# KiCad board nuevo5.kicad_pcb (continued)
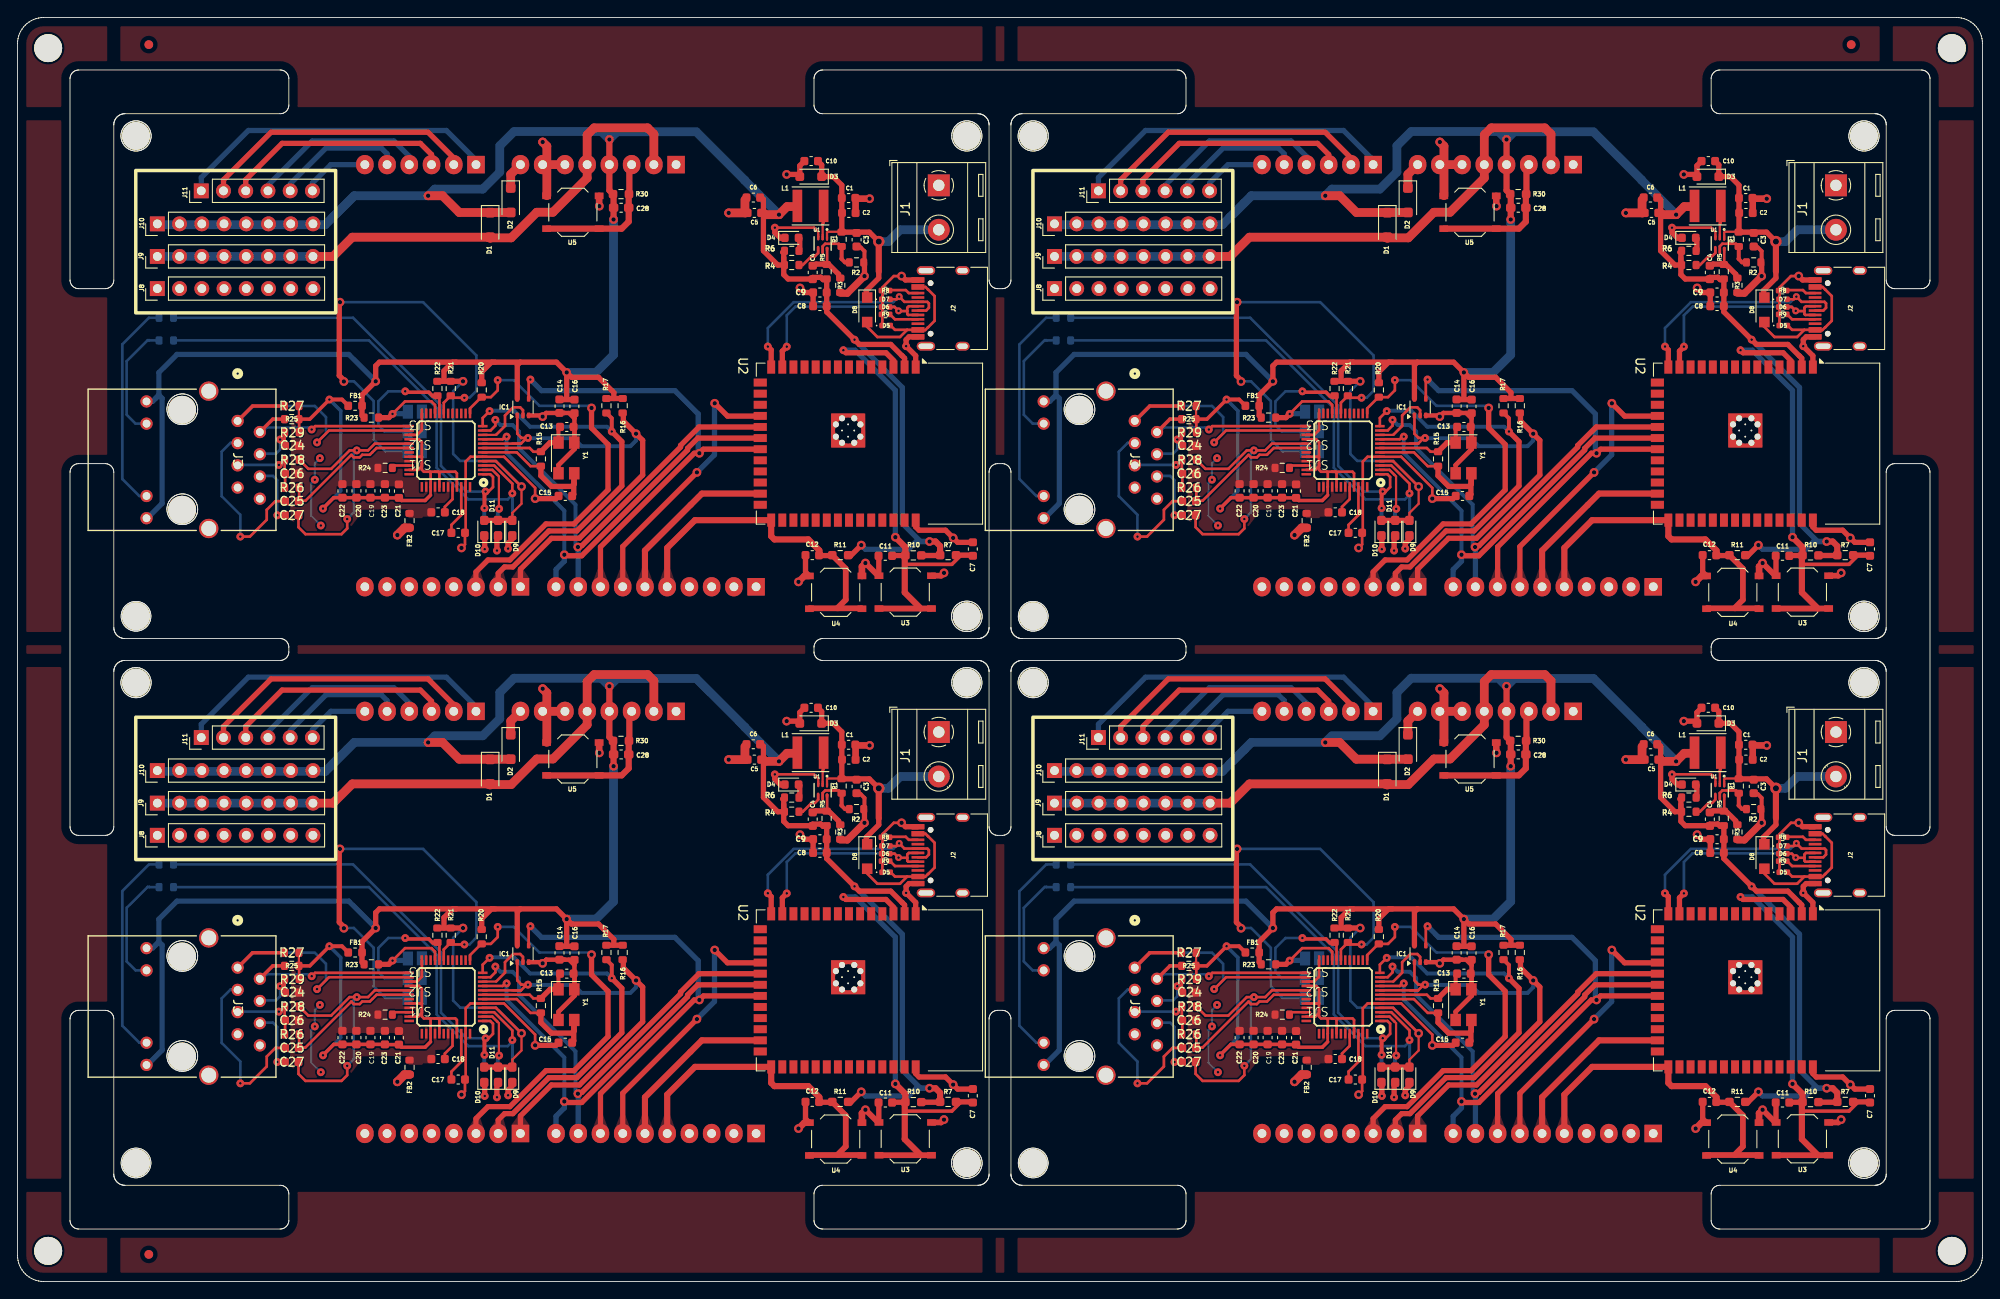
[diagram p0: board, top side]
## Nets (continued)
Board_1-Net-(SJ1-A): R21#2.2 SJ1#4.1 U$1#4.43
Board_1-Net-(SJ2-A): R22#4.2 SJ2#3.1 U$1#4.44
Board_1-Net-(SJ3-A): R23#3.2 SJ3.1 U$1#4.45
Board_1-Net-(U1-EN): R1#4.1 R2#3.2 U1#4.5
Board_1-Net-(U1-FB): C4#3.1 R3#3.2 R5#3.1 U1#4.6
Board_1-Net-(U1-PG): R4#4.1 U1#4.4
Board_1-Net-(U1-SW): L1#3.1 U1#4.2
Board_1-Net-(U$1-1V20): C17#3.1 U$1#4.22
Board_1-Net-(U$1-EXRES1): R24#2.1 U$1#4.10
Board_1-Net-(U$1-TOCAP): C18#2.1 U$1#4.20
Board_1-Net-(U$1-XI/CLKIN): C15.1 R15#4.2 U$1#4.30 Y1#2.2
Board_1-Net-(U$1-XO): C13#2.1 R15#4.1 U$1#4.31 Y1#2.1
Board_1-unconnected-(J2-SBU1-PadA8): J2#2.A8
Board_1-unconnected-(J2-SBU2-PadB8): J2#2.B8
Board_1-unconnected-(J3-NC-Pad7): J3#3.7
Board_1-unconnected-(J4-Pin_1-Pad1): J4.1
Board_1-unconnected-(J6-Pin_1-Pad1): J6#4.1
Board_1-unconnected-(J6-Pin_2-Pad2): J6#4.2
Board_1-unconnected-(J6-Pin_3-Pad3): J6#4.3
Board_1-unconnected-(J7-Pin_4-Pad4): J7.4
Board_1-unconnected-(J7-Pin_5-Pad5): J7.5
Board_1-unconnected-(J7-Pin_6-Pad6): J7.6
Board_1-unconnected-(J7-Pin_7-Pad7): J7.7
Board_1-unconnected-(J7-Pin_8-Pad8): J7.8
Board_1-unconnected-(U2-IO1-Pad39): U2#3.39
Board_1-unconnected-(U2-IO2-Pad38): U2#3.38
Board_1-unconnected-(U2-IO3-Pad15): U2#3.15
Board_1-unconnected-(U2-IO4-Pad4): U2#3.4
Board_1-unconnected-(U2-IO5-Pad5): U2#3.5
Board_1-unconnected-(U2-IO6-Pad6): U2#3.6
Board_1-unconnected-(U2-IO7-Pad7): U2#3.7
Board_1-unconnected-(U2-IO8-Pad12): U2#3.12
Board_1-unconnected-(U2-IO9-Pad17): U2#3.17
Board_1-unconnected-(U2-IO14-Pad22): U2#3.22
Board_1-unconnected-(U2-IO15-Pad8): U2#3.8
Board_1-unconnected-(U2-IO16-Pad9): U2#3.9
Board_1-unconnected-(U2-IO17-Pad10): U2#3.10
Board_1-unconnected-(U2-IO18-Pad11): U2#3.11
Board_1-unconnected-(U2-IO21-Pad23): U2#3.23
Board_1-unconnected-(U2-IO35-Pad28): U2#3.28
Board_1-unconnected-(U2-IO36-Pad29): U2#3.29
Board_1-unconnected-(U2-IO37-Pad30): U2#3.30
Board_1-unconnected-(U2-IO38-Pad31): U2#3.31
Board_1-unconnected-(U2-IO39-Pad32): U2#3.32
Board_1-unconnected-(U2-IO40-Pad33): U2#3.33
Board_1-unconnected-(U2-IO41-Pad34): U2#3.34
Board_1-unconnected-(U2-IO42-Pad35): U2#3.35
Board_1-unconnected-(U2-IO45-Pad26): U2#3.26
Board_1-unconnected-(U2-IO46-Pad16): U2#3.16
Board_1-unconnected-(U2-IO47-Pad24): U2#3.24
Board_1-unconnected-(U2-RXD0-Pad36): U2#3.36
Board_1-unconnected-(U2-TXD0-Pad37): U2#3.37
Board_1-unconnected-(U$1-DNC-Pad7): U$1#4.7
Board_1-unconnected-(U$1-NC@1-Pad12): U$1#4.12
Board_1-unconnected-(U$1-NC@2-Pad13): U$1#4.13
Board_1-unconnected-(U$1-NC@3-Pad46): U$1#4.46
Board_1-unconnected-(U$1-NC@4-Pad47): U$1#4.47
Board_1-unconnected-(U$1-RSVD@2-Pad38): U$1#4.38
Board_1-unconnected-(U$1-RSVD@3-Pad39): U$1#4.39
Board_1-unconnected-(U$1-RSVD@4-Pad40): U$1#4.40
Board_1-unconnected-(U$1-RSVD@5-Pad41): U$1#4.41
Board_1-unconnected-(U$1-RSVD@6-Pad42): U$1#4.42
Board_1-unconnected-(U$1-SPDLED-Pad24): U$1#4.24
Board_1-unconnected-(U$1-VBG-Pad18): U$1#4.18
Board_1-VBAT: C1#3.1 C2#4.1 C3#4.1 C10.1 D3#2.1 D8#4.1 J1#3.2 R1#4.2 U1#4.1
Board_1-VIN: D2#2.1 J4.8
Board_2-+3V3: C4#4.2 C5#2.1 C6#3.1 C8#4.1 C9.1 C14.1 C16#3.1 C28#3.1 D1#2.1 D2#3.2 D9#2.2 D10#4.2 D11#3.2 FB1#4.1 IC1#3.5 J3#2.9 J3#2.12 J4#2.4 J10#3.1 J10#3.2 J10#3.3 J10#3.4 J10#3.5 J10#3.6 J10#3.7 J10#3.8 L1#4.2 R4.2 R5.2 R6.1 R7#2.2 R10.2 R11.2 R16#2.2 R17.2 R20#3.1 R21.1 R22#2.1 R23#4.1 R30#4.2 U2#2.2 U$1#2.28
Board_2-+5V: D1#2.2 J4#2.2 J4#2.5 J9#4.1 J9#4.2 J9#4.3 J9#4.4 J9#4.5 J9#4.6 J9#4.7 J9#4.8
Board_2-/Archi/CS1: J6#3.7 U2#2.18
Board_2-/Archi/MISO: IC1#3.4 J6#3.8 U2#2.21
Board_2-/Archi/READY: J6#3.6 U2#2.25
Board_2-/Archi/RUN: C28#3.2 J4#2.3 R30#4.1 U5.1
Board_2-/Ethernet/ACTLED: R12#2.2 R18#2.2 U$1#2.27
Board_2-/Ethernet/CS: IC1#3.1 J7#2.1 R16#2.1 U$1#2.32
Board_2-/Ethernet/DUPLED: R14.2 U$1#2.26
Board_2-/Ethernet/GREENLED: J3#2.11 R19#3.1
Board_2-/Ethernet/INTN: J7#2.2 R17.1 U$1#2.36
Board_2-/Ethernet/LINKLED: R13#3.2 R19#3.2 U$1#2.25
Board_2-/Ethernet/MISO: IC1#3.2 U$1#2.34
Board_2-/Ethernet/MOSI: J6#3.9 U2#2.19 U$1#2.35
Board_2-/Ethernet/RESET: J7#2.3 R20#3.2 U$1#2.37
Board_2-/Ethernet/RX+: C25#2.2 R26#3.2 U$1#2.6
Board_2-/Ethernet/RX-: C27#4.2 R28#2.2 U$1#2.5
Board_2-/Ethernet/SCK: J6#3.10 U2#2.20 U$1#2.33
Board_2-/Ethernet/TX+: J3#2.1 R27#3.1 U$1#2.2
Board_2-/Ethernet/TX-: J3#2.2 R25#2.1 U$1#2.1
Board_2-/Ethernet/YELLOWLED: J3#2.10 R18#2.1
Board_2-/MCU-WiFi/CHIP_PU: C7#3.1 C11.1 R7#2.1 R10.1 U2#2.3 U3.2
Board_2-/MCU-WiFi/D+: D7#2.2 J2#4.A6 J2#4.B6 U2#2.14
Board_2-/MCU-WiFi/D-: D6#4.2 J2#4.A7 J2#4.B7 U2#2.13
Board_2-/MCU-WiFi/GPIO0: C12#4.1 J6#3.5 R11.1 U2#2.27 U4#4.2
Board_2-AGND: C18#4.2 C19#4.2 C20#4.2 C21#2.2 C22.2 C23.2 C24#3.2 C26#3.2 FB2.2 R24#4.2 U$1#2.3 U$1#2.9 U$1#2.14 U$1#2.16 U$1#2.19 U$1#2.48
Board_2-AVDD: C19#4.1 C20#4.1 C21#2.1 C22.1 C23.1 FB1#4.2 R25#2.2 R27#3.2 R29#4.2 U$1#2.4 U$1#2.8 U$1#2.11 U$1#2.15 U$1#2.17 U$1#2.21
Board_2-GND: C1#4.2 C2#3.2 C3.2 C5#2.2 C6#3.2 C7#3.2 C8#4.2 C9.2 C10#2.2 C11.2 C12#4.2 C13#4.2 C14.2 C15#4.2 C16#3.2 C17#2.2 D3#4.2 D4#4.1 D5.1 D6#4.1 D7#2.1 FB2.1 IC1#3.3 J1#4.1 J2#4.A1 J2#4.A12 J2#4.B1 J2#4.B12 J2#4.S1 J3#2.8 J4#2.6 J4#2.7 J6#3.4 J8#3.1 J8#3.2 J8#3.3 J8#3.4 J8#3.5 J8#3.6 J8#3.7 J8#3.8 R2.1 R3#4.1 R8.2 R9.2 SJ1#3.2 SJ2#2.2 SJ3#4.2 U1#2.3 U2#2.1 U2#2.40 U2#2.41 U3.1 U4#4.1 U5.2 U$1#2.23 U$1#2.29
Board_2-Net-(D4-A): D4#4.2 R6.2
Board_2-Net-(D5-A2): D5.2 D8#2.2 J2#4.A4 J2#4.A9 J2#4.B4 J2#4.B9
Board_2-Net-(D9-K): D9#2.1 R12#2.1
Board_2-Net-(D10-K): D10#4.1 R13#3.1
Board_2-Net-(D11-K): D11#3.1 R14.1
Board_2-Net-(J2-CC1): J2#4.A5 R9.1
Board_2-Net-(J2-CC2): J2#4.B5 R8.1
Board_2-Net-(J3-RCT): C26#3.1 J3#2.5 R26#3.1 R28#2.1
Board_2-Net-(J3-RD+): C25#2.1 J3#2.3
Board_2-Net-(J3-RD-): C27#4.1 J3#2.6
Board_2-Net-(J3-TCT): C24#3.1 J3#2.4 R29#4.1
Board_2-Net-(J11-Pin_1): J5.1 J11#2.1
Board_2-Net-(J11-Pin_2): J5.2 J11#2.2
Board_2-Net-(J11-Pin_3): J5.3 J11#2.3
Board_2-Net-(J11-Pin_4): J5.4 J11#2.4
Board_2-Net-(J11-Pin_5): J5.5 J11#2.5
Board_2-Net-(J11-Pin_6): J5.6 J11#2.6
Board_2-Net-(SJ1-A): R21.2 SJ1#3.1 U$1#2.43
Board_2-Net-(SJ2-A): R22#2.2 SJ2#2.1 U$1#2.44
Board_2-Net-(SJ3-A): R23#4.2 SJ3#4.1 U$1#2.45
Board_2-Net-(U1-EN): R1#2.1 R2.2 U1#2.5
Board_2-Net-(U1-FB): C4#4.1 R3#4.2 R5.1 U1#2.6
Board_2-Net-(U1-PG): R4.1 U1#2.4
Board_2-Net-(U1-SW): L1#4.1 U1#2.2
Board_2-Net-(U$1-1V20): C17#2.1 U$1#2.22
Board_2-Net-(U$1-EXRES1): R24#4.1 U$1#2.10
Board_2-Net-(U$1-TOCAP): C18#4.1 U$1#2.20
Board_2-Net-(U$1-XI/CLKIN): C15#4.1 R15#3.2 U$1#2.30 Y1.2
Board_2-Net-(U$1-XO): C13#4.1 R15#3.1 U$1#2.31 Y1.1
Board_2-unconnected-(J2-SBU1-PadA8): J2#4.A8
Board_2-unconnected-(J2-SBU2-PadB8): J2#4.B8
Board_2-unconnected-(J3-NC-Pad7): J3#2.7
Board_2-unconnected-(J4-Pin_1-Pad1): J4#2.1
Board_2-unconnected-(J6-Pin_1-Pad1): J6#3.1
Board_2-unconnected-(J6-Pin_2-Pad2): J6#3.2
Board_2-unconnected-(J6-Pin_3-Pad3): J6#3.3
Board_2-unconnected-(J7-Pin_4-Pad4): J7#2.4
Board_2-unconnected-(J7-Pin_5-Pad5): J7#2.5
Board_2-unconnected-(J7-Pin_6-Pad6): J7#2.6
Board_2-unconnected-(J7-Pin_7-Pad7): J7#2.7
Board_2-unconnected-(J7-Pin_8-Pad8): J7#2.8
Board_2-unconnected-(U2-IO1-Pad39): U2#2.39
Board_2-unconnected-(U2-IO2-Pad38): U2#2.38
Board_2-unconnected-(U2-IO3-Pad15): U2#2.15
Board_2-unconnected-(U2-IO4-Pad4): U2#2.4
Board_2-unconnected-(U2-IO5-Pad5): U2#2.5
Board_2-unconnected-(U2-IO6-Pad6): U2#2.6
Board_2-unconnected-(U2-IO7-Pad7): U2#2.7
Board_2-unconnected-(U2-IO8-Pad12): U2#2.12
Board_2-unconnected-(U2-IO9-Pad17): U2#2.17
Board_2-unconnected-(U2-IO14-Pad22): U2#2.22
Board_2-unconnected-(U2-IO15-Pad8): U2#2.8
Board_2-unconnected-(U2-IO16-Pad9): U2#2.9
Board_2-unconnected-(U2-IO17-Pad10): U2#2.10
Board_2-unconnected-(U2-IO18-Pad11): U2#2.11
Board_2-unconnected-(U2-IO21-Pad23): U2#2.23
Board_2-unconnected-(U2-IO35-Pad28): U2#2.28
Board_2-unconnected-(U2-IO36-Pad29): U2#2.29
Board_2-unconnected-(U2-IO37-Pad30): U2#2.30
Board_2-unconnected-(U2-IO38-Pad31): U2#2.31
Board_2-unconnected-(U2-IO39-Pad32): U2#2.32
Board_2-unconnected-(U2-IO40-Pad33): U2#2.33
Board_2-unconnected-(U2-IO41-Pad34): U2#2.34
Board_2-unconnected-(U2-IO42-Pad35): U2#2.35
Board_2-unconnected-(U2-IO45-Pad26): U2#2.26
Board_2-unconnected-(U2-IO46-Pad16): U2#2.16
Board_2-unconnected-(U2-IO47-Pad24): U2#2.24
Board_2-unconnected-(U2-RXD0-Pad36): U2#2.36
Board_2-unconnected-(U2-TXD0-Pad37): U2#2.37
Board_2-unconnected-(U$1-DNC-Pad7): U$1#2.7
Board_2-unconnected-(U$1-NC@1-Pad12): U$1#2.12
Board_2-unconnected-(U$1-NC@2-Pad13): U$1#2.13
Board_2-unconnected-(U$1-NC@3-Pad46): U$1#2.46
Board_2-unconnected-(U$1-NC@4-Pad47): U$1#2.47
Board_2-unconnected-(U$1-RSVD@2-Pad38): U$1#2.38
Board_2-unconnected-(U$1-RSVD@3-Pad39): U$1#2.39
Board_2-unconnected-(U$1-RSVD@4-Pad40): U$1#2.40
Board_2-unconnected-(U$1-RSVD@5-Pad41): U$1#2.41
Board_2-unconnected-(U$1-RSVD@6-Pad42): U$1#2.42
Board_2-unconnected-(U$1-SPDLED-Pad24): U$1#2.24
Board_2-unconnected-(U$1-VBG-Pad18): U$1#2.18
Board_2-VBAT: C1#4.1 C2#3.1 C3.1 C10#2.1 D3#4.1 D8#2.1 J1#4.2 R1#2.2 U1#2.1
Board_2-VIN: D2#3.1 J4#2.8
Board_3-+3V3: C4#2.2 C5.1 C6.1 C8.1 C9#3.1 C14#2.1 C16#4.1 C28.1 D1#3.1 D2#4.2 D9.2 D10#2.2 D11#4.2 FB1.1 IC1#2.5 J3#4.9 J3#4.12 J4#4.4 J10.1 J10.2 J10.3 J10.4 J10.5 J10.6 J10.7 J10.8 L1#2.2 R4#3.2 R5#2.2 R6#2.1 R7#4.2 R10#3.2 R11#4.2 R16#3.2 R17#2.2 R20.1 R21#4.1 R22#3.1 R23.1 R30#3.2 U2#4.2 U$1#3.28
Board_3-+5V: D1#3.2 J4#4.2 J4#4.5 J9#3.1 J9#3.2 J9#3.3 J9#3.4 J9#3.5 J9#3.6 J9#3.7 J9#3.8
Board_3-/Archi/CS1: J6#2.7 U2#4.18
Board_3-/Archi/MISO: IC1#2.4 J6#2.8 U2#4.21
Board_3-/Archi/READY: J6#2.6 U2#4.25
Board_3-/Archi/RUN: C28.2 J4#4.3 R30#3.1 U5#3.1
Board_3-/Ethernet/ACTLED: R12.2 R18#3.2 U$1#3.27
Board_3-/Ethernet/CS: IC1#2.1 J7#4.1 R16#3.1 U$1#3.32
Board_3-/Ethernet/DUPLED: R14#4.2 U$1#3.26
Board_3-/Ethernet/GREENLED: J3#4.11 R19#4.1
Board_3-/Ethernet/INTN: J7#4.2 R17#2.1 U$1#3.36
Board_3-/Ethernet/LINKLED: R13#4.2 R19#4.2 U$1#3.25
Board_3-/Ethernet/MISO: IC1#2.2 U$1#3.34
Board_3-/Ethernet/MOSI: J6#2.9 U2#4.19 U$1#3.35
Board_3-/Ethernet/RESET: J7#4.3 R20.2 U$1#3.37
Board_3-/Ethernet/RX+: C25#4.2 R26.2 U$1#3.6
Board_3-/Ethernet/RX-: C27.2 R28#4.2 U$1#3.5
Board_3-/Ethernet/SCK: J6#2.10 U2#4.20 U$1#3.33
Board_3-/Ethernet/TX+: J3#4.1 R27#4.1 U$1#3.2
Board_3-/Ethernet/TX-: J3#4.2 R25#3.1 U$1#3.1
Board_3-/Ethernet/YELLOWLED: J3#4.10 R18#3.1
Board_3-/MCU-WiFi/CHIP_PU: C7#4.1 C11#3.1 R7#4.1 R10#3.1 U2#4.3 U3#4.2
Board_3-/MCU-WiFi/D+: D7#4.2 J2.A6 J2.B6 U2#4.14
Board_3-/MCU-WiFi/D-: D6#2.2 J2.A7 J2.B7 U2#4.13
Board_3-/MCU-WiFi/GPIO0: C12#3.1 J6#2.5 R11#4.1 U2#4.27 U4#2.2
Board_3-AGND: C18#3.2 C19#2.2 C20.2 C21#4.2 C22#2.2 C23#4.2 C24.2 C26.2 FB2#3.2 R24.2 U$1#3.3 U$1#3.9 U$1#3.14 U$1#3.16 U$1#3.19 U$1#3.48
Board_3-AVDD: C19#2.1 C20.1 C21#4.1 C22#2.1 C23#4.1 FB1.2 R25#3.2 R27#4.2 R29#3.2 U$1#3.4 U$1#3.8 U$1#3.11 U$1#3.15 U$1#3.17 U$1#3.21
Board_3-GND: C1.2 C2.2 C3#2.2 C5.2 C6.2 C7#4.2 C8.2 C9#3.2 C10#4.2 C11#3.2 C12#3.2 C13.2 C14#2.2 C15#2.2 C16#4.2 C17#4.2 D3.2 D4.1 D5#4.1 D6#2.1 D7#4.1 FB2#3.1 IC1#2.3 J1.1 J2.A1 J2.A12 J2.B1 J2.B12 J2.S1 J3#4.8 J4#4.6 J4#4.7 J6#2.4 J8#2.1 J8#2.2 J8#2.3 J8#2.4 J8#2.5 J8#2.6 J8#2.7 J8#2.8 R2#2.1 R3.1 R8#4.2 R9#4.2 SJ1#2.2 SJ2#4.2 SJ3#2.2 U1#3.3 U2#4.1 U2#4.40 U2#4.41 U3#4.1 U4#2.1 U5#3.2 U$1#3.23 U$1#3.29
Board_3-Net-(D4-A): D4.2 R6#2.2
Board_3-Net-(D5-A2): D5#4.2 D8.2 J2.A4 J2.A9 J2.B4 J2.B9
Board_3-Net-(D9-K): D9.1 R12.1
Board_3-Net-(D10-K): D10#2.1 R13#4.1
Board_3-Net-(D11-K): D11#4.1 R14#4.1
Board_3-Net-(J2-CC1): J2.A5 R9#4.1
Board_3-Net-(J2-CC2): J2.B5 R8#4.1
Board_3-Net-(J3-RCT): C26.1 J3#4.5 R26.1 R28#4.1
Board_3-Net-(J3-RD+): C25#4.1 J3#4.3
Board_3-Net-(J3-RD-): C27.1 J3#4.6
Board_3-Net-(J3-TCT): C24.1 J3#4.4 R29#3.1
Board_3-Net-(J11-Pin_1): J5#4.1 J11#4.1
Board_3-Net-(J11-Pin_2): J5#4.2 J11#4.2
Board_3-Net-(J11-Pin_3): J5#4.3 J11#4.3
Board_3-Net-(J11-Pin_4): J5#4.4 J11#4.4
Board_3-Net-(J11-Pin_5): J5#4.5 J11#4.5
Board_3-Net-(J11-Pin_6): J5#4.6 J11#4.6
Board_3-Net-(SJ1-A): R21#4.2 SJ1#2.1 U$1#3.43
Board_3-Net-(SJ2-A): R22#3.2 SJ2#4.1 U$1#3.44
Board_3-Net-(SJ3-A): R23.2 SJ3#2.1 U$1#3.45
Board_3-Net-(U1-EN): R1.1 R2#2.2 U1#3.5
Board_3-Net-(U1-FB): C4#2.1 R3.2 R5#2.1 U1#3.6
Board_3-Net-(U1-PG): R4#3.1 U1#3.4
Board_3-Net-(U1-SW): L1#2.1 U1#3.2
Board_3-Net-(U$1-1V20): C17#4.1 U$1#3.22
Board_3-Net-(U$1-EXRES1): R24.1 U$1#3.10
Board_3-Net-(U$1-TOCAP): C18#3.1 U$1#3.20
Board_3-Net-(U$1-XI/CLKIN): C15#2.1 R15.2 U$1#3.30 Y1#4.2
Board_3-Net-(U$1-XO): C13.1 R15.1 U$1#3.31 Y1#4.1
Board_3-unconnected-(J2-SBU1-PadA8): J2.A8
Board_3-unconnected-(J2-SBU2-PadB8): J2.B8
Board_3-unconnected-(J3-NC-Pad7): J3#4.7
Board_3-unconnected-(J4-Pin_1-Pad1): J4#4.1
Board_3-unconnected-(J6-Pin_1-Pad1): J6#2.1
Board_3-unconnected-(J6-Pin_2-Pad2): J6#2.2
Board_3-unconnected-(J6-Pin_3-Pad3): J6#2.3
Board_3-unconnected-(J7-Pin_4-Pad4): J7#4.4
Board_3-unconnected-(J7-Pin_5-Pad5): J7#4.5
Board_3-unconnected-(J7-Pin_6-Pad6): J7#4.6
Board_3-unconnected-(J7-Pin_7-Pad7): J7#4.7
Board_3-unconnected-(J7-Pin_8-Pad8): J7#4.8
Board_3-unconnected-(U2-IO1-Pad39): U2#4.39
Board_3-unconnected-(U2-IO2-Pad38): U2#4.38
Board_3-unconnected-(U2-IO3-Pad15): U2#4.15
Board_3-unconnected-(U2-IO4-Pad4): U2#4.4
Board_3-unconnected-(U2-IO5-Pad5): U2#4.5
Board_3-unconnected-(U2-IO6-Pad6): U2#4.6
Board_3-unconnected-(U2-IO7-Pad7): U2#4.7
Board_3-unconnected-(U2-IO8-Pad12): U2#4.12
Board_3-unconnected-(U2-IO9-Pad17): U2#4.17
Board_3-unconnected-(U2-IO14-Pad22): U2#4.22
Board_3-unconnected-(U2-IO15-Pad8): U2#4.8
Board_3-unconnected-(U2-IO16-Pad9): U2#4.9
Board_3-unconnected-(U2-IO17-Pad10): U2#4.10
Board_3-unconnected-(U2-IO18-Pad11): U2#4.11
Board_3-unconnected-(U2-IO21-Pad23): U2#4.23
Board_3-unconnected-(U2-IO35-Pad28): U2#4.28
Board_3-unconnected-(U2-IO36-Pad29): U2#4.29
Board_3-unconnected-(U2-IO37-Pad30): U2#4.30
Board_3-unconnected-(U2-IO38-Pad31): U2#4.31
Board_3-unconnected-(U2-IO39-Pad32): U2#4.32
Board_3-unconnected-(U2-IO40-Pad33): U2#4.33
Board_3-unconnected-(U2-IO41-Pad34): U2#4.34
Board_3-unconnected-(U2-IO42-Pad35): U2#4.35
Board_3-unconnected-(U2-IO45-Pad26): U2#4.26
Board_3-unconnected-(U2-IO46-Pad16): U2#4.16
Board_3-unconnected-(U2-IO47-Pad24): U2#4.24
Board_3-unconnected-(U2-RXD0-Pad36): U2#4.36
Board_3-unconnected-(U2-TXD0-Pad37): U2#4.37
Board_3-unconnected-(U$1-DNC-Pad7): U$1#3.7
Board_3-unconnected-(U$1-NC@1-Pad12): U$1#3.12
Board_3-unconnected-(U$1-NC@2-Pad13): U$1#3.13
Board_3-unconnected-(U$1-NC@3-Pad46): U$1#3.46
Board_3-unconnected-(U$1-NC@4-Pad47): U$1#3.47
Board_3-unconnected-(U$1-RSVD@2-Pad38): U$1#3.38
Board_3-unconnected-(U$1-RSVD@3-Pad39): U$1#3.39
Board_3-unconnected-(U$1-RSVD@4-Pad40): U$1#3.40
Board_3-unconnected-(U$1-RSVD@5-Pad41): U$1#3.41
Board_3-unconnected-(U$1-RSVD@6-Pad42): U$1#3.42
Board_3-unconnected-(U$1-SPDLED-Pad24): U$1#3.24
Board_3-unconnected-(U$1-VBG-Pad18): U$1#3.18
Board_3-VBAT: C1.1 C2.1 C3#2.1 C10#4.1 D3.1 D8.1 J1.2 R1.2 U1#3.1
Board_3-VIN: D2#4.1 J4#4.8

Pads without a net: J3 13 14; J3#2 13 14; J3#3 13 14; J3#4 13 14; Y1 3 4; Y1#2 3 4; Y1#3 3 4; Y1#4 3 4

## Via types
v1: diameter 1, hole 0.5, Top to Bottom, 144 vias
v2: diameter 0.9, hole 0.3, Top to Bottom, 144 vias
v3: diameter 0.8, hole 0.3, Top to Bottom, 8 vias
v4: diameter 3.1, hole 3, Top to Bottom, 4 vias
v5: diameter 1.3, hole 0.7, Top to Bottom, 4 vias

## Routing (per net, layer and track width the routed paths; a pad name or vN(x,y) marks a point on that pad's centre or on a via; arc(x,y) is an arc through that point)
Board_0-+3V3: length 343.2
  Top w0.25: D9#3.2 56.53,87.86 57.58,88.92 v1(57.58,90.87)
  Top w0.3: v1(57.58,90.87) 57.58,90.87 54.66,93.78 U$1.28
  Top w0.6: 57.44,105.09 50.12,105.09 ; 57.44,105.09 61.58,105.09 v1(62.74,103.93) ; 57.44,105.09 57.1,104.76 IC1#4.5 ; 50.12,105.09 41.35,105.09 40.92,104.67 v1(40.92,102.91) 39.36,101.35 39.36,99 R23#2.1 ; 50.12,105.09 49.71,105.09 48.72,104.1 48.72,102.93 48.7,102.91 ; C14#3.1 61.95,100.82 C16.1 ; v1(62.74,103.93) 63.3,103.37 66.38,103.37 68.13,101.62 68.13,100.94 ; v1(62.74,103.93) 62.74,100.84 ; v1(50.9,102.91) R21#3.1 R22.1 ; 101.41,104.59 U2.2 101.35,105.55 101.07,105.82 101.07,105.82 99.77,107.12 96.18,107.12 v2(95.63,107.67) 92.45,110.85 C8#3.1 92.45,114.52 92.44,114.53 92.04,114.53 91.77,114.8 91.76,114.79 90.85,114.79 90.67,114.61 88.04,114.61 87.54,115.11 87.54,117.8 87.41,117.66 ; v1(96.4,84.18) 95.2,82.99 94.91,82.99 ; 85.05,123.87 85.22,123.69 85.22,117.84 86.86,116.2 87.54,116.2 87.54,117.03 ; 68.1,124.26 68.08,124.28 ; 103.19,82.99 105.36,82.99 R7#3.2 ; 54.59,105.09 54.15,105.09 53.03,103.98 R20#4.1 ; D9#3.2 D11#2.2 D10.2 ; R16#4.2 R17#4.2
  Top w0.7: R7#3.2 105.4,84.08 104.89,84.59 v1(104.2,84.59) ; v1(67.62,130.55) J4#3.4 67.62,124.74 68.08,124.28 ; C28#2.1 68.1,124.26 ; v1(68.1,121.41) 68.1,122.75
  Top w1: 85.22,122.16 85.42,121.96 v1(87,121.96) 87.92,122.88 89.1,122.88 ; D2.2 50.47,122.21 48.56,124.12 v1(46.92,124.12) ; 68.1,122.75 C28#2.1
  Bottom w0.3: v1(50.9,102.91) 49.77,101.78 49.77,94.61 50.57,93.81 54.64,93.81 v1(57.58,90.87)
  Bottom w0.6: 14.94,87.37 16.53,88.95 16.53,100.96 16.15,101.34 ; 15.75,100.94 16.15,101.34 ; 16.15,101.34 15.42,100.61 J3.9 ; 16.15,101.34 16.15,103.92 18.22,105.98 37.85,105.98 v1(40.92,102.91) ; v1(96.4,84.18) 96.87,83.71 101.8,83.71 102.69,84.59 v1(104.2,84.59) 103.17,84.59 101.09,86.66 101.09,102.2 v2(95.63,107.67)
  Bottom w1: 38.48,124.12 v1(46.92,124.12) 47.68,124.88 53.15,124.88 55.1,126.83 55.1,129.83 56.73,131.47 66.71,131.47 ; 38.48,124.12 35.99,121.63 ; 38.48,124.12 35.99,121.63 ; 68.5,131.43 v1(67.62,130.55) 66.71,131.47 ; 68.5,131.43 77.55,131.43 83.08,125.91 83.08,125.88 v1(87,121.96) ; 68.5,131.43 68.47,131.47 66.71,131.47 ; v1(68.1,121.41) 68.1,105.93 66.09,103.93 v1(62.74,103.93) ; 35.99,121.63 35.16,120.81 16.08,120.81 J10#2.1
Board_0-+5V: length 69.5
  Top w1: J9#2.8 36.05,117.18 38.25,119.38 D1.2 ; J4#3.2 72.7,131.17 71.99,131.88 65.88,131.88 65.08,131.09 J4#3.5 65.08,126.15 61.17,122.23 59.33,122.23 56.4,119.31 54.05,119.31 54,119.26
  Bottom w1: J9#2.8 J9#2.7 J9#2.6 J9#2.5 J9#2.4 J9#2.3 J9#2.2 J9#2.1
Board_0-/Archi/CS1: length 31.1
  Top w0.6: U2.18 84.83,98.93 81.12,98.93 v1(79.65,100.4) ; J6.7 69.15,84.02 v1(77.62,92.5)
  Bottom w0.6: v1(79.65,100.4) 79.63,100.37 79.63,94.5 v1(77.62,92.5)
Board_0-/Archi/MISO: length 55.1
  Top w0.3: v2(58.6,103.11) 58.4,102.92 IC1#4.4
  Top w0.6: U2.21 78.37,95.15 v1(77.9,94.69) 77.31,94.69 66.61,83.98 J6.8 66.6,79.43
  Bottom w0.6: v1(77.9,94.69) 77.77,94.81 77.77,99.18 75.11,101.84 59.87,101.84 v2(58.6,103.11) ; J6.8 66.6,79.43
Board_0-/Archi/READY: length 20
  Top w0.7: J6.6 71.69,83.56 78.19,90.07 U2.25
Board_0-/Archi/RUN: length 16.4
  Top w0.6: 69.83,124.21 69.9,124.28 ; 69.9,127.42 J4#3.3
  Top w0.7: U5#4.1 69.03,120.36 69.83,121.16 C28#2.2 69.83,124.21 ; 69.9,124.28 69.9,127.42
Board_0-/Ethernet/ACTLED: length 59.3
  Top w0.25: 56.42,89.99 v2(56.53,90.1)
  Top w0.3: v2(56.53,90.1) 56.53,91.21 54.46,93.28 U$1.27
  Bottom w0.25: 56.55,90.08 v2(56.53,90.1) 56.48,90.04 ; R12#3.2 56.55,87.07
  Bottom w0.3: v2(56.53,90.1) 56.53,89.93 56.01,89.41 51.51,89.41 47.89,93.03 47.89,99.85 40.15,107.58 R18#4.2
  Bottom w0.35: 56.55,87.07 56.55,90.08
Board_0-/Ethernet/CS: length 52.1
  Top w0.3: 57.52,95.78 58.17,96.43 v2(58.32,96.43) 57.56,96.43 57.54,96.46 57.54,96.48 57.1,96.91 IC1#4.1 ; 57.52,95.78 56.6,95.78 ; 57.52,95.78 U$1.32
  Top w0.6: J7#3.1 57.46,81.43 61,84.97 64.2,84.97 71.42,92.19 71.42,96.16 v1(70.67,96.92) 69.21,98.37 69.21,99.22 R16#4.1
  Bottom w0.45: v1(70.67,96.92) 70.67,96.14 70.03,95.49 64.44,95.49 63.52,96.41 58.34,96.41 v2(58.32,96.43)
Board_0-/Ethernet/DUPLED: length 6.8
  Top w0.25: 55,88.71 55,92.03 54.83,92.21 54.82,92.21
  Top w0.3: 54.82,92.21 54.25,92.78 U$1.26
  Bottom w0.25: 54.88,88.18 v2(55.03,88.33)
  Bottom w0.45: R14#3.2 54.88,88.18
Board_0-/Ethernet/GREENLED: length 24.8
  Bottom w0.3: R19.1 15.02,110.17 11.97,107.13 11.97,91.74 13.91,89.8 J3.11
  Bottom w0.6: J3.11 14.48,90.06
Board_0-/Ethernet/INTN: length 45.9
  Top w0.3: v2(53.94,99.5) 53.15,98.72 U$1.36
  Top w0.45: R17#4.1 67.89,98.68 v2(67.89,97.17)
  Top w0.6: J7#3.2 54.92,80.97 55.65,81.69 56.59,81.69 60.71,85.8 63.9,85.8 69.04,90.94 69.04,96.02 v2(67.89,97.17)
  Bottom w0.45: v2(53.94,99.5) 53.99,99.56 56.72,99.56 58.57,97.71 67.35,97.71 v2(67.89,97.17)
Board_0-/Ethernet/LINKLED: length 54.8
  Top w0.25: 53.35,90.18 v2(53.48,90.31)
  Top w0.3: U$1.25 54.01,92.28 54.32,91.97 54.32,90.81 53.82,90.31 v2(53.48,90.31)
  Top w0.45: v2(53.35,88.41) 53.35,90.18
  Bottom w0.25: 53.33,88.38 v2(53.35,88.41)
  Bottom w0.3: R19.2 38.33,110.17 48.39,100.12 48.39,93.24 51.31,90.31 v2(53.48,90.31)
  Bottom w0.45: R13.2 53.33,88.38
Board_0-/Ethernet/MISO: length 7.3
  Top w0.25: 54.73,96.83 54.68,96.78 U$1.34
  Top w0.3: 54.73,96.83 55.7,97.8 55.7,99 56.63,99.93 57.43,99.93 57.75,99.61 IC1#4.2
Board_0-/Ethernet/MOSI: length 52.9
  Top w0.3: v2(54.6,98.5) 54.6,97.84 54.04,97.28 U$1.35
  Top w0.6: v1(64.02,83.97) 64.17,84.11 64.48,84.11 75.75,95.39 75.75,95.58 77.86,97.69 U2.19
  Bottom w0.25: 64.07,83.92 v1(64.02,83.97)
  Bottom w0.45: v1(64.02,83.97) 63.75,83.97 63.75,88.81 57.29,95.27 57.29,97.18 56.57,97.91 55.19,97.91 v2(54.6,98.5)
  Bottom w0.6: J6.9 64.07,83.92
Board_0-/Ethernet/RESET: length 49
  Top w0.3: U$1.37 51.7,99.81 52.99,101.09 54.08,101.09 54.86,101.88 v2(54.86,103.04)
  Top w0.6: 52.76,79.42 J7#3.3 52.38,81.12 53.75,82.49 56.26,82.49 60.38,86.6 63.57,86.6 67.47,90.5 67.47,95.69 65.58,97.57 v1(65.58,99.86)
  Bottom w0.3: v1(65.58,99.86) 65.34,100.11 59.62,100.11 56.69,103.04 v2(54.86,103.04)
Board_0-/Ethernet/RX+: length 16.8
  Top w0.3: U$1.6 41.03,95.28 40.26,94.51 39.39,94.51 39.09,94.21 38.43,94.21 38.14,94.5 32.89,89.25 32.18,89.25 R26#4.2
Board_0-/Ethernet/RX-: length 31.1
  Top w0.3: C27#3.2 32.1,86.23 32.9,85.44 37.01,85.44 37.67,86.09 v2(37.67,87.16) ; R28.2 33.22,92.9 35.84,92.9 37.94,95.01 v2(38.76,95.01) 40.05,95.01 40.82,95.78 U$1.5
  Bottom w0.3: v2(38.76,95.01) 38.4,94.66 38.4,87.9 v2(37.67,87.16)
Board_0-/Ethernet/SCK: length 51.3
  Top w0.3: v2(55.88,96.58) 55.73,96.58 55.43,96.28 U$1.33
  Top w0.6: U2.20 77.73,96.42 76.55,95.25 76.55,95.06 64.46,82.96 62.59,82.96 v1(62.48,83.08) ; 61.47,79.47 J6.10
  Bottom w0.45: v2(55.88,96.58) 55.88,94.71 62.48,88.11 v1(62.48,83.08)
  Bottom w0.6: J6.10 61.53,81.39 62.48,82.34 v1(62.48,83.08)
Board_0-/Ethernet/TX+: length 32.2
  Top w0.3: 30.34,100.08 30.5,99.92 30.5,100.1 ; U$1.2 35.58,97.28 v2(34.22,95.93)
  Top w0.4: R27#2.1 26.86,100.08 J3.1
  Bottom w0.3: J3.1 25.27,98.38 26.98,100.08 33.98,100.08 35.24,98.82 35.24,96.95 v2(34.22,95.93)
Board_0-/Ethernet/TX-: length 21.6
  Top w0.3: J3.2 27.98,97.39 ; 30.52,98.58 30.53,98.58 ; v2(33.61,97.4) 34,97.78 U$1.1
  Top w0.4: J3.2 29.17,98.58 R25.1
  Bottom w0.254: 27.74,97.11 27.71,97.08
  Bottom w0.3: 33.67,97.16 33.2,97.63 28.47,97.63 28,97.16 ; 27.73,97.17 27.95,97.4
Board_0-/Ethernet/YELLOWLED: length 13.5
  Bottom w0.3: J3.10 13.49,98.07 12.47,99.09 12.47,105.21 14.87,107.61 15.04,107.61 15.07,107.58 R18#4.1
Board_0-/MCU-WiFi/CHIP_PU: length 57.8
  Top w0.25: 101.42,81.98 101.37,82.03 101.37,82.94 R10#2.1
  Top w0.4: 101.42,81.98 106.75,81.98 107.78,83.01 107.78,83.03
  Top w0.6: C7#2.1 109.07,83.03 R7#3.1 107.14,83.03 ; v2(94.36,106.46) 94.65,106.17 99.22,106.17 100.14,105.25 ; 99.85,82.99 101.42,82.99 R10#2.1
  Top w0.65: U3#3.2 U3#3.2
  Top w0.7: R10#2.1 101.44,83.95 v1(100.29,85.09) ; 103.2,76.93 101.37,78.77 101.37,82.99
  Bottom w0.6: v1(100.29,85.09) 100.29,101.87 95.7,106.46 v2(94.36,106.46)
Board_0-/MCU-WiFi/D+: length 28.1
  Top w0.3: 99.53,112.28 100.43,112.28 v3(100.74,112.59) 101.33,111.99 J2#3.B6 103.95,111.99 104.12,111.82 104.12,111.31 103.81,110.99 J2#3.A6
  Top w0.6: v2(85.72,106.88) 86.11,106.5 U2.14
  Bottom w0.3: 100.71,112.61 100.05,111.95 88.68,111.95 85.72,109 v2(85.72,106.88)
  Bottom w0.6: v3(100.74,112.59) 100.71,112.61
Board_0-/MCU-WiFi/D-: length 25.2
  Top w0.3: 101.66,110.94 101.66,110.59 101.76,110.49 J2#3.B7 ; 101.66,110.94 101.66,111.32 101.83,111.49 J2#3.A7 ; 101.66,110.94 100.68,110.94 v3(100.66,110.96) 100.22,111.4 99.51,111.4 99.45,111.34
  Top w0.6: v2(87.89,106.87) 87.38,106.36 U2.13
  Bottom w0.3: v3(100.66,110.96) 100.17,111.45 88.88,111.45 87.89,110.45 v2(87.89,106.87)
Board_0-/MCU-WiFi/GPIO0: length 41
  Top w0.25: 93.65,76.96 93.78,76.96
  Top w0.6: 93.08,82.99 91.61,82.99
  Top w0.65: R11#3.1 94.63,81.49 94.63,77.93 93.65,76.96 ; U4.2 90.53,76.96 96.43,76.96 U4.2
  Top w0.7: J6.5 74.23,83.86 77.4,87.03 U2.27 86.11,85.2 86.48,84.83 90.35,84.83 91.61,83.57 91.61,82.99
Board_0-AGND: length 3.6
  Top w0.3: U$1.48 46.2,97.34 45.64,96.78 U$1.3
Board_0-AVDD: length 55.8
  Top w0.25: 33.38,98.58 33.38,98.58 ; R25.2 R27#2.2
  Top w0.3: 47.1,92.57 46.42,92.57 46.2,92.8 46.2,93.5 ; 47.1,92.57 47.67,92.57 ; 47.1,92.57 47.2,92.47 U$1.15 47.19,90.83 47.19,89.9 ; 42,89.58 C23#3.1 ; 47.67,92.57 50.02,92.57 50.2,92.4 U$1.21 ; 47.67,92.57 48.05,92.57 48.2,92.42 U$1.17 ; 32.18,100.08 32.15,100.1 ; U$1.4 45.88,96.28 46.2,95.96 46.2,94.27 ; U$1.8 46.01,94.28 46.02,94.27 46.2,94.27 ; 46.2,93.5 46.2,93.21 45.77,92.78 U$1.11 ; 46.2,93.5 46.2,94.27 ; 32.18,97.03 32.18,98.58
  Top w0.4: v2(35.64,100.83) 33.38,98.58 ; v2(34.9,88.36) 34.9,88.37 36.13,89.61 C22#4.1 C20#3.1 C19#3.1 C23#3.1 ; 47.19,89.9 46.57,89.28 43.87,89.28 C21.1 42,89.58 ; 33.38,98.58 R25.2